# Altium PCB eps-test.PcbDoc (part 2 of 2) (continued)
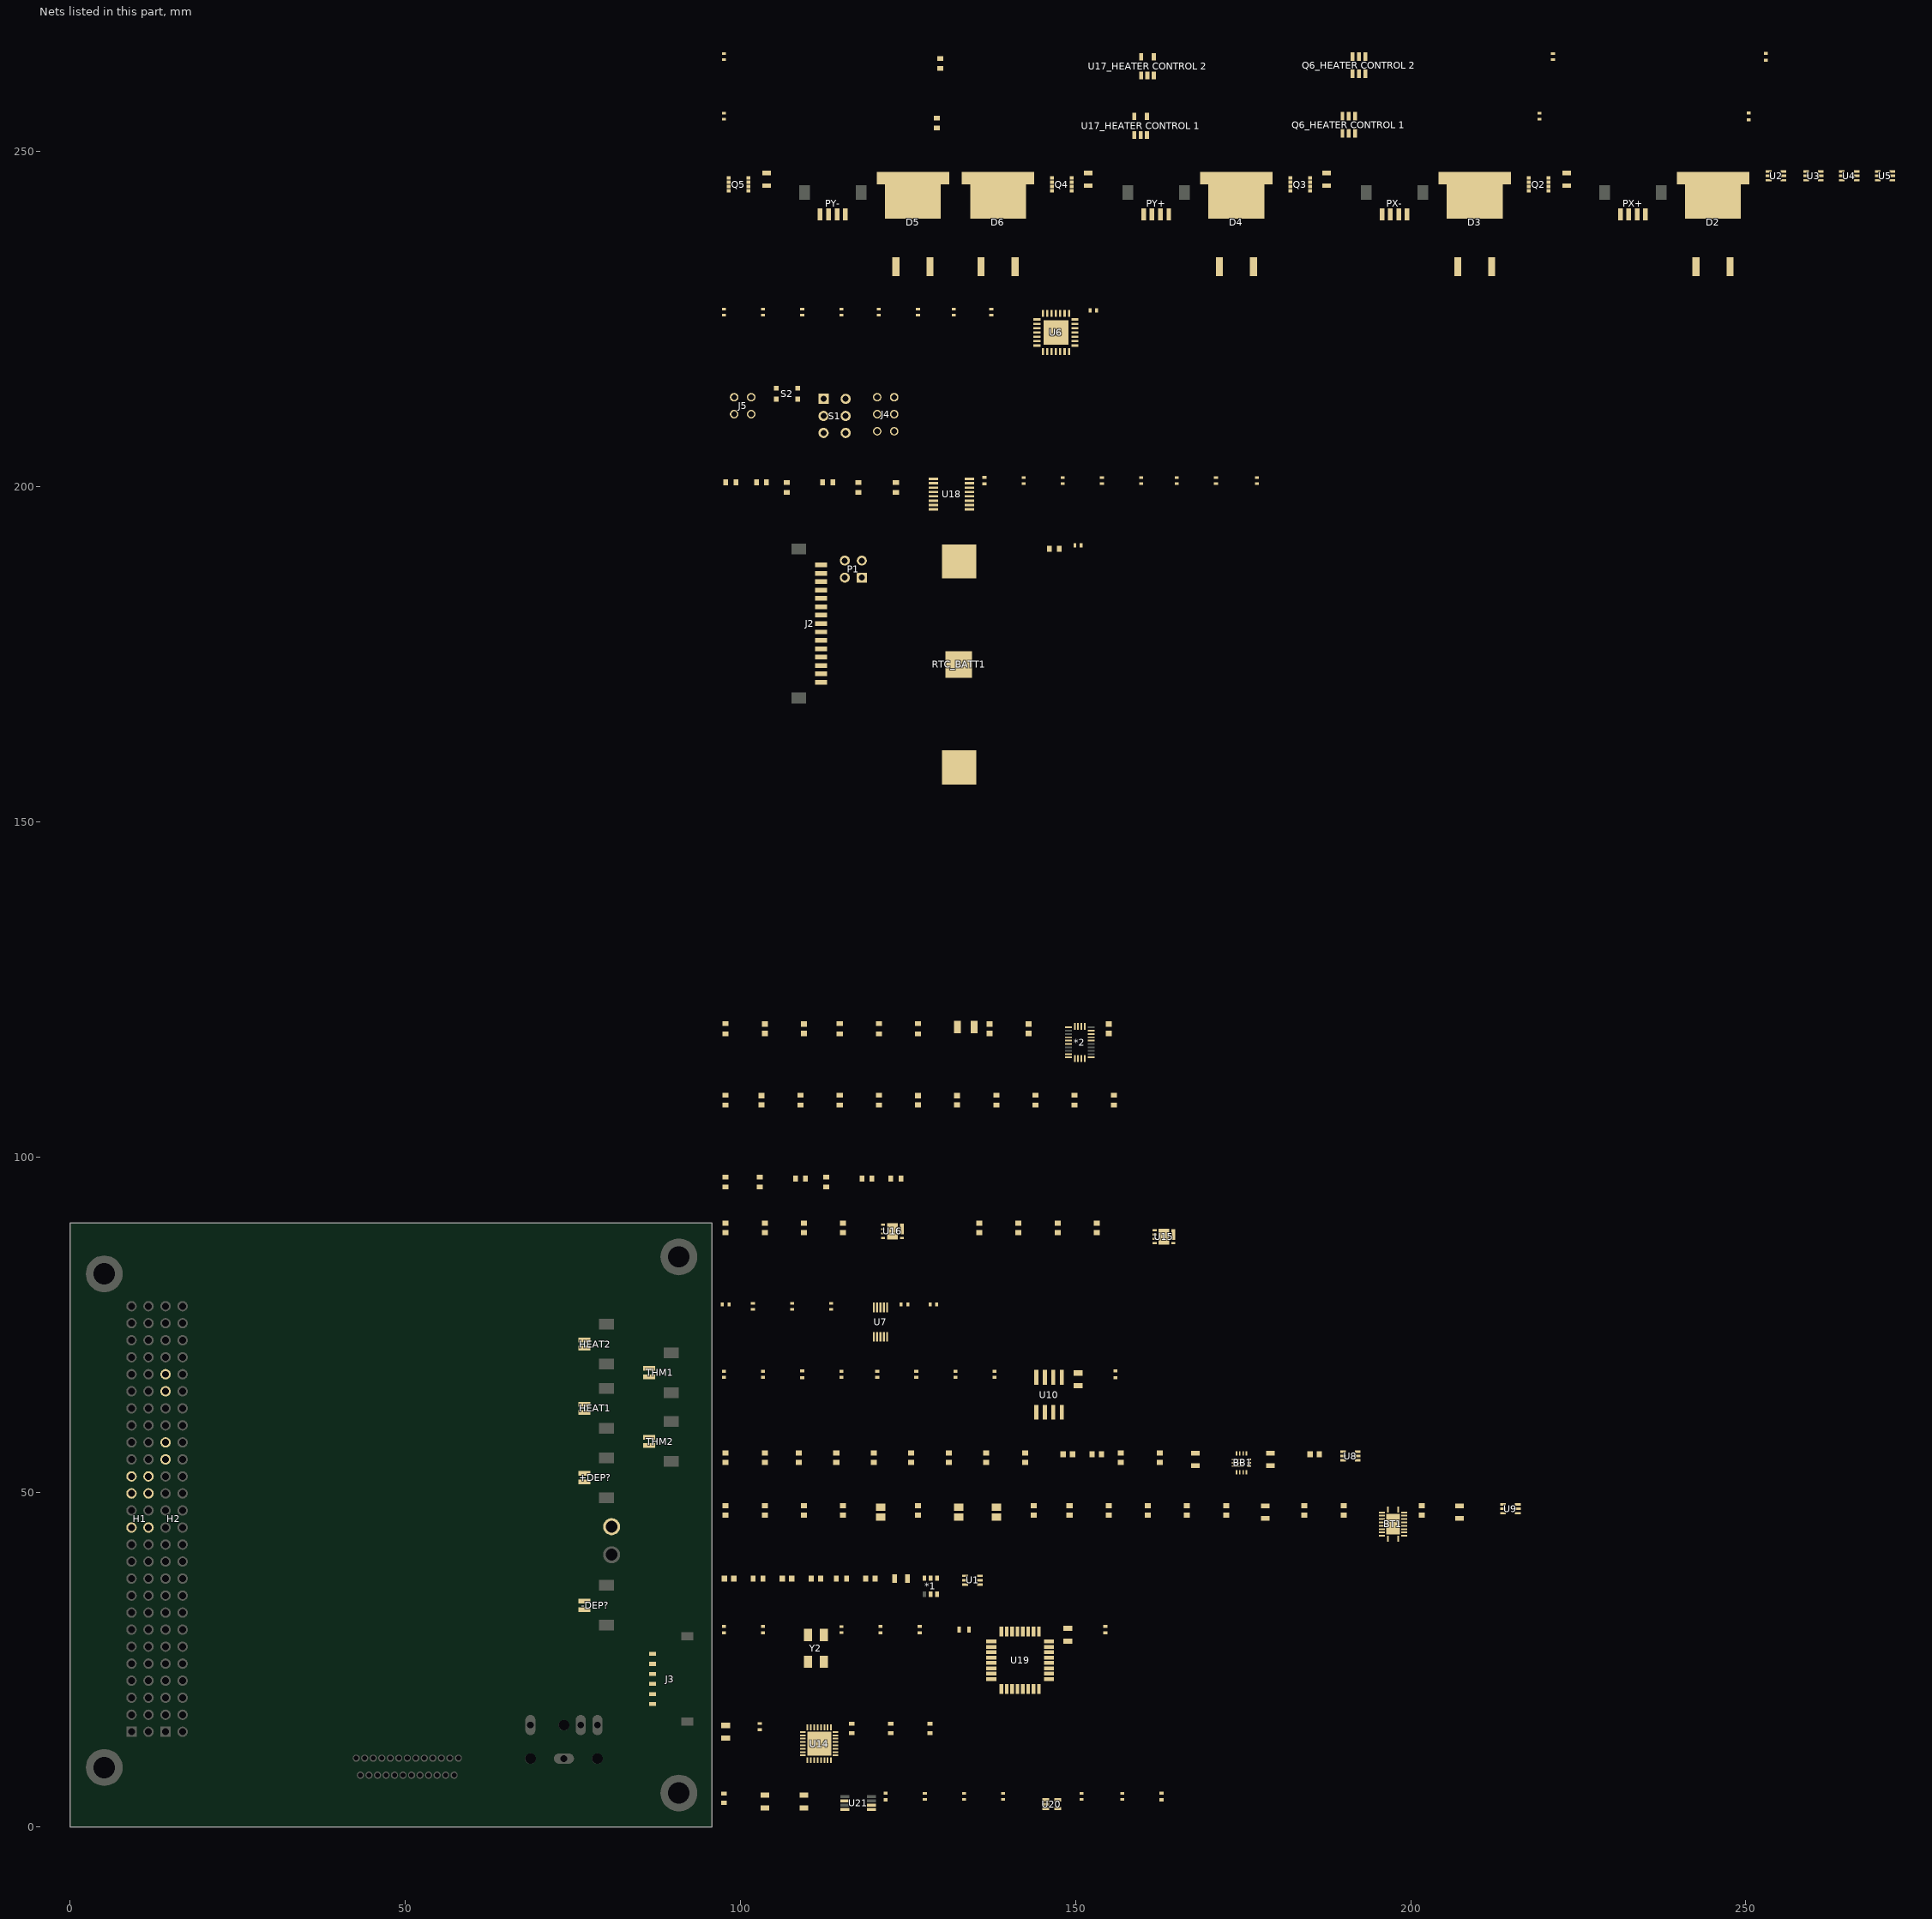
[diagram p2: the nets of this part, all layers, seen from the top]
## Part data (continued)
R7: library part Res3, "Resistor", Supplier Part Number 1=311-0.0GRDKR-ND, LatestRevisionDate=29-May-2009, LatestRevisionNote="IPC-7351 Footprint Added.", PackageDescription="Chip Resistor", PackageReference=J1-0603, Published=8-Jun-2000, Publisher="Altium Limited", Supplier 1=Digi-Key
R9 R54: library part Res3, "Resistor", Supplier Part Number 1=P10KDBCT-ND, LatestRevisionDate=29-May-2009, LatestRevisionNote="IPC-7351 Footprint Added.", PackageDescription="Chip Resistor", PackageReference=J1-0603, Published=8-Jun-2000, Publisher="Altium Limited", Supplier 1=Digi-Key
R13: library part Res1, "Resistor", Case/Package=0805, Case Code (Metric)=2012, Manufacturer=Rohm, Manufacturer Part Number=PMR10EZPFV2L00, Max Operating Temperature=155°C, Max Power Dissipation=500mW, Min Operating Temperature=-55°C, Package Quantity=1, Resistance=2mR, Supplier Part Number 1=P0.01BVDKR-ND, Temperature Coefficient=150ppm/°C, Tolerance=1%, Case Code (Imperial)=0805, ComponentLink1Description=https://www.rohm.com/datasheet/PMR18EZPFV/pmr-e?src-supplier=Digi-Key, ComponentLink1URL=https://www.rohm.com/datasheet/PMR18EZPFV/pmr-e?src-supplier=Digi-Key, ComponentLink2Description=http://www.rohm.com/web/global/datasheet/PMR18EZPFV/pmr-e?src-supplier=Digi-Key, ComponentLink2URL=http://www.rohm.com/web/global/datasheet/PMR18EZPFV/pmr-e?src-supplier=Digi-Key, Composition="Thick Film", Features="Automotive AEC-Q200", Height=0.022inch, LatestRevisionDate=17-Jul-2002, LatestRevisionNote="Re-released for DXP Platform.", Lead Free="Lead Free", Length=0.079inch, Number of Terminations=2, PackageDescription="Axial Device, Thru-Hole; 2 Leads; 0.3 in Pin Spacing", PackageReference=AXIAL-0.3, Packaging="Tape and Reel", Pricing 2="1=0.65, 10=0.546, 25=0.4676, 50=0.421, 100=0.3664, 250=0.32744, 500=0.26508, 1000=0.2144 (USD)", Published=8-Jun-2000, Publisher="Altium Limited", Stock 2=27190, Supplier 1=Digi-Key, Supplier 2=Digi-Key, Supplier Part Number 2=RHM.002AJCT-ND, Width=0.047inch
R14 R15 R16: library part Res1, "Resistor", Case/Package=0805, Case Code (Metric)=2012, Manufacturer=Rohm, Manufacturer Part Number=PMR10EZPFV2L00, Max Operating Temperature=155°C, Max Power Dissipation=500mW, Min Operating Temperature=-55°C, Package Quantity=1, Resistance=2mR, Supplier Part Number 1=RHM.002AJCT-ND, Temperature Coefficient=150ppm/°C, Tolerance=1%, Case Code (Imperial)=0805, ComponentLink1Description=https://www.rohm.com/datasheet/PMR18EZPFV/pmr-e?src-supplier=Digi-Key, ComponentLink1URL=https://www.rohm.com/datasheet/PMR18EZPFV/pmr-e?src-supplier=Digi-Key, ComponentLink2Description=http://www.rohm.com/web/global/datasheet/PMR18EZPFV/pmr-e?src-supplier=Digi-Key, ComponentLink2URL=http://www.rohm.com/web/global/datasheet/PMR18EZPFV/pmr-e?src-supplier=Digi-Key, Composition="Thick Film", Features="Automotive AEC-Q200", Height=0.022inch, LatestRevisionDate=17-Jul-2002, LatestRevisionNote="Re-released for DXP Platform.", Lead Free="Lead Free", Length=0.079inch, Number of Terminations=2, PackageDescription="Axial Device, Thru-Hole; 2 Leads; 0.3 in Pin Spacing", PackageReference=AXIAL-0.3, Packaging="Tape and Reel", Pricing 1="1=0.65, 10=0.546, 25=0.4676, 50=0.421, 100=0.3664, 250=0.32744, 500=0.26508, 1000=0.2144 (USD)", Published=8-Jun-2000, Publisher="Altium Limited", Stock 1=27190, Supplier 1=Digi-Key, Width=0.047inch
R17 R18 R25 R26 R62 R67: library part RES0402, "0402 resistor", Case Code (Metric)=1005, Manufacturer=Panasonic, Manufacturer Part Number=ERJ-2RKF1002X, Max Operating Temperature=155°C, Max Power Dissipation=100mW, Min Operating Temperature=-55°C, Package Quantity=1, Resistance=10kR, Supplier Part Number 1=P10.0KLCT-ND, Temperature Coefficient=100ppm/°C, Tolerance=1%, Voltage Rating=50V, Case/Package=0402, Case Code (Imperial)=0402, ComponentLink1Description=http://industrial.panasonic.com/www-data/pdf/AOA0000/AOA0000CE2.pdf?src-supplier=Future+Electronics, ComponentLink1URL=http://industrial.panasonic.com/www-data/pdf/AOA0000/AOA0000CE2.pdf?src-supplier=Future+Electronics, ComponentLink2Description=http://industrial.panasonic.com/www-data/pdf/AOA0000/AOA0000CE2.pdf?src-supplier=Avnet+Europe, ComponentLink2URL=http://industrial.panasonic.com/www-data/pdf/AOA0000/AOA0000CE2.pdf?src-supplier=Avnet+Europe, ComponentLink3Description=https://industrial.panasonic.com/cdbs/www-data/pdf/RDA0000/DMA0000COL11.pdf?src-supplier=Mouser, ComponentLink3URL=https://industrial.panasonic.com/cdbs/www-data/pdf/RDA0000/DMA0000COL11.pdf?src-supplier=Mouser, ComponentLink4Description=http://www.farnell.com/datasheets/1678782.pdf?src-supplier=Element14, ComponentLink4URL=http://www.farnell.com/datasheets/1678782.pdf?src-supplier=Element14, ComponentLink5Description=http://www.farnell.com/datasheets/1911175.pdf?src-supplier=Farnell, ComponentLink5URL=http://www.farnell.com/datasheets/1911175.pdf?src-supplier=Farnell, ComponentLink6Description=http://www.jameco.com/Jameco/Products/ProdDS/1987020.pdf?src-supplier=Jameco, ComponentLink6URL=http://www.jameco.com/Jameco/Products/ProdDS/1987020.pdf?src-supplier=Jameco, ComponentLink7Description=http://industrial.panasonic.com/www-data/pdf/AOA0000/AOA0000CE2.pdf?src-supplier=Avnet, ComponentLink7URL=http://industrial.panasonic.com/www-data/pdf/AOA0000/AOA0000CE2.pdf?src-supplier=Avnet, ComponentLink8Description=http://www.alliedelec.com/m/d/623f45ff1957d936ff56d46fd1c28cac.pdf?src-supplier=Allied+Electronics, ComponentLink8URL=http://www.alliedelec.com/m/d/623f45ff1957d936ff56d46fd1c28cac.pdf?src-supplier=Allied+Electronics, Composition="Thick Film", Contact Plating=Tin, Depth=0.5mm, Features="Automotive AEC-Q200", Height=0.35mm, Lead Free="Lead Free", Length=1mm, Military Standard=Not, Mount="Surface Mount", Number of Pins=2, Number of Terminations=2, Packaging="Tape and Reel", Power Rating=100mW, Pricing 1="1=0.1, 10=0.045, 100=0.0183, 1000=0.00823, 2500=0.00715, 5000=0.0059 (USD)", Radiation Hardening=No, REACH SVHC="No SVHC", Stock 1=14350001, Supplier 1=Digi-Key, Termination=SMD/SMT, Voltage Rating (DC)=50V, Width=0.02inch
R19 R20 R21 R22 R23 R24 R52 R53: library part RES0402, "0402 resistor", Case Code (Metric)=1005, Manufacturer=Panasonic, Manufacturer Part Number=ERJ-2GE0R00X, Max Operating Temperature=155°C, Max Power Dissipation=100mW, Min Operating Temperature=-55°C, Package Quantity=1, Resistance=0mR, Supplier Part Number 1=P0.0JCT-ND, Temperature Coefficient=600ppm/°C, Tolerance=5%, Voltage Rating=50V, Case/Package=0402, Case Code (Imperial)=0402, ComponentLink1Description=http://industrial.panasonic.com/www-data/pdf/AOA0000/AOA0000CE1.pdf?src-supplier=Avnet, ComponentLink1URL=http://industrial.panasonic.com/www-data/pdf/AOA0000/AOA0000CE1.pdf?src-supplier=Avnet, ComponentLink2Description=http://www.alliedelec.com/m/d/51cd0790071e1666bdb9d00c57fcf960.pdf?src-supplier=Allied+Electronics, ComponentLink2URL=http://www.alliedelec.com/m/d/51cd0790071e1666bdb9d00c57fcf960.pdf?src-supplier=Allied+Electronics, ComponentLink3Description=http://industrial.panasonic.com/www-data/pdf/AOA0000/AOA0000CE1.pdf?src-supplier=Avnet+Europe, ComponentLink3URL=http://industrial.panasonic.com/www-data/pdf/AOA0000/AOA0000CE1.pdf?src-supplier=Avnet+Europe, ComponentLink4Description=http://www.farnell.com/datasheets/2059623.pdf?src-supplier=Farnell, ComponentLink4URL=http://www.farnell.com/datasheets/2059623.pdf?src-supplier=Farnell, ComponentLink5Description=http://www.farnell.com/datasheets/2059623.pdf?src-supplier=Element14, ComponentLink5URL=http://www.farnell.com/datasheets/2059623.pdf?src-supplier=Element14, ComponentLink6Description=http://www.farnell.com/datasheets/1678796.pdf?src-supplier=Element14, ComponentLink6URL=http://www.farnell.com/datasheets/1678796.pdf?src-supplier=Element14, Composition="Thick Film", Contact Plating=Tin, Depth=0.5mm, Features="Automotive AEC-Q200", Height=0.35mm, Lead Free="Lead Free", Length=1mm, Military Standard=Not, Mount="Surface Mount", Number of Terminations=2, Packaging="Tape and Reel", Power Rating=100mW, Pricing 1="1=0.1, 10=0.03, 25=0.0216, 50=0.0164, 100=0.0121, 250=0.00924, 500=0.0074, 1000=0.00545, 5000=0.00391 (USD)", Radiation Hardening=No, REACH SVHC="No SVHC", Stock 1=47740000, Supplier 1=Digi-Key, Termination=SMD/SMT, Voltage Rating (DC)=50V, Width=0.02inch
R27 "R65_HEATER CONTROL 1" "R65_HEATER CONTROL 2" "R66_HEATER CONTROL 1" "R66_HEATER CONTROL 2": library part RES0402, "0402 resistor", Case Code (Metric)=1005, Manufacturer=Panasonic, Manufacturer Part Number=ERJ-PA2J102X, Max Operating Temperature=155°C, Max Power Dissipation=200mW, Min Operating Temperature=-55°C, Resistance=1kR, Supplier Part Number 1=P17193CT-ND, Temperature Coefficient=200ppm/°C, Tolerance=5%, Case/Package=0402, Case Code (Imperial)=0402, Composition="Thick Film", Features="Automotive AEC-Q200", Height=0.016inch, Length=0.039inch, Number of Terminations=2, Packaging="Tape and Reel", Pricing 1="1=0.16, 10=0.133, 100=0.0518, 1000=0.0217, 2500=0.0199, 5000=0.01809 (USD)", Stock 1=7229, Supplier 1=Digi-Key, Width=0.02inch
R28: library part Res1, "Resistor, Rfbt_bb1", Case/Package=0805, Case Code (Metric)=2012, Manufacturer=Rohm, Manufacturer Part Number=PMR10EZPFV2L00, Max Operating Temperature=155°C, Max Power Dissipation=500mW, Min Operating Temperature=-55°C, Package Quantity=1, Resistance=2mR, Supplier Part Number 1=P562KHDKR-ND, Temperature Coefficient=150ppm/°C, Tolerance=1%, Case Code (Imperial)=0805, ComponentLink1Description=https://www.rohm.com/datasheet/PMR18EZPFV/pmr-e?src-supplier=Digi-Key, ComponentLink1URL=https://www.rohm.com/datasheet/PMR18EZPFV/pmr-e?src-supplier=Digi-Key, ComponentLink2Description=http://www.rohm.com/web/global/datasheet/PMR18EZPFV/pmr-e?src-supplier=Digi-Key, ComponentLink2URL=http://www.rohm.com/web/global/datasheet/PMR18EZPFV/pmr-e?src-supplier=Digi-Key, Composition="Thick Film", Features="Automotive AEC-Q200", Height=0.022inch, LatestRevisionDate=17-Jul-2002, LatestRevisionNote="Re-released for DXP Platform.", Lead Free="Lead Free", Length=0.079inch, Number of Terminations=2, PackageDescription="Axial Device, Thru-Hole; 2 Leads; 0.3 in Pin Spacing", PackageReference=AXIAL-0.3, Packaging="Tape and Reel", Pricing 2="1=0.65, 10=0.546, 25=0.4676, 50=0.421, 100=0.3664, 250=0.32744, 500=0.26508, 1000=0.2144 (USD)", Published=8-Jun-2000, Publisher="Altium Limited", Stock 2=27190, Supplier 1=Digi-Key, Supplier 2=Digi-Key, Supplier Part Number 2=RHM.002AJCT-ND, Width=0.047inch
R29: "Resistor", Case/Package=0805, Case Code (Metric)=2012, Manufacturer=Rohm, Manufacturer Part Number=PMR10EZPFV2L00, Max Operating Temperature=155°C, Max Power Dissipation=500mW, Min Operating Temperature=-55°C, Package Quantity=1, Resistance=2mR, Supplier Part Number 1=P.010AVDKR-ND, Temperature Coefficient=150ppm/°C, Tolerance=1%, Case Code (Imperial)=0805, ComponentLink1Description=https://www.rohm.com/datasheet/PMR18EZPFV/pmr-e?src-supplier=Digi-Key, ComponentLink1URL=https://www.rohm.com/datasheet/PMR18EZPFV/pmr-e?src-supplier=Digi-Key, ComponentLink2Description=http://www.rohm.com/web/global/datasheet/PMR18EZPFV/pmr-e?src-supplier=Digi-Key, ComponentLink2URL=http://www.rohm.com/web/global/datasheet/PMR18EZPFV/pmr-e?src-supplier=Digi-Key, Composition="Thick Film", Features="Automotive AEC-Q200", Height=0.022inch, LatestRevisionDate=17-Jul-2002, LatestRevisionNote="Re-released for DXP Platform.", Lead Free="Lead Free", Length=0.079inch, Number of Terminations=2, PackageDescription="Axial Device, Thru-Hole; 2 Leads; 0.3 in Pin Spacing", PackageReference=AXIAL-0.3, Packaging="Tape and Reel", Pricing 2="1=0.65, 10=0.546, 25=0.4676, 50=0.421, 100=0.3664, 250=0.32744, 500=0.26508, 1000=0.2144 (USD)", Published=8-Jun-2000, Publisher="Altium Limited", Stock 2=27190, Supplier 1=Digi-Key, Supplier 2=Digi-Key, Supplier Part Number 2=RHM.002AJCT-ND, Width=0.047inch
R30: library part Res1, "Resistor, Rfbt_bb1", Supplier Part Number 1=P562KHDKR-ND, LatestRevisionDate=17-Jul-2002, LatestRevisionNote="Re-released for DXP Platform.", PackageDescription="Axial Device, Thru-Hole; 2 Leads; 0.3 in Pin Spacing", PackageReference=AXIAL-0.3, Published=8-Jun-2000, Publisher="Altium Limited", Supplier 1=Digi-Key
R31: library part Res1, "Resistor", Supplier Part Number 1=541-100KHCT-ND, LatestRevisionDate=17-Jul-2002, LatestRevisionNote="Re-released for DXP Platform.", PackageDescription="Axial Device, Thru-Hole; 2 Leads; 0.3 in Pin Spacing", PackageReference=AXIAL-0.3, Published=8-Jun-2000, Publisher="Altium Limited", Supplier 1=Digi-Key
R32: library part Res1, "Resistor, Rfbb_bb1", Supplier Part Number 1=P180KHDKR-ND, LatestRevisionDate=17-Jul-2002, LatestRevisionNote="Re-released for DXP Platform.", PackageDescription="Axial Device, Thru-Hole; 2 Leads; 0.3 in Pin Spacing", PackageReference=AXIAL-0.3, Published=8-Jun-2000, Publisher="Altium Limited", Supplier 1=Digi-Key
R33: library part Res1, "Resistor", LatestRevisionDate=17-Jul-2002, LatestRevisionNote="Re-released for DXP Platform.", PackageDescription="Axial Device, Thru-Hole; 2 Leads; 0.3 in Pin Spacing", PackageReference=AXIAL-0.3, Published=8-Jun-2000, Publisher="Altium Limited"
R34: library part Res2, "Resistor, Rfbt_bt1", Case/Package=0805, Case Code (Metric)=2012, Manufacturer=Rohm, Manufacturer Part Number=PMR10EZPFV2L00, Max Operating Temperature=155°C, Max Power Dissipation=500mW, Min Operating Temperature=-55°C, Package Quantity=1, Resistance=2mR, Supplier Part Number 1=P220KHDKR-ND, Temperature Coefficient=150ppm/°C, Tolerance=1%, Case Code (Imperial)=0805, ComponentLink1Description=https://www.rohm.com/datasheet/PMR18EZPFV/pmr-e?src-supplier=Digi-Key, ComponentLink1URL=https://www.rohm.com/datasheet/PMR18EZPFV/pmr-e?src-supplier=Digi-Key, ComponentLink2Description=http://www.rohm.com/web/global/datasheet/PMR18EZPFV/pmr-e?src-supplier=Digi-Key, ComponentLink2URL=http://www.rohm.com/web/global/datasheet/PMR18EZPFV/pmr-e?src-supplier=Digi-Key, Composition="Thick Film", Features="Automotive AEC-Q200", Height=0.022inch, LatestRevisionDate=17-Jul-2002, LatestRevisionNote="Re-released for DXP Platform.", Lead Free="Lead Free", Length=0.079inch, Number of Terminations=2, PackageDescription="Axial Device, Thru-Hole; 2 Leads; 0.4 in Pin Spacing", PackageReference=AXIAL-0.4, Packaging="Tape and Reel", Pricing 2="1=0.65, 10=0.546, 25=0.4676, 50=0.421, 100=0.3664, 250=0.32744, 500=0.26508, 1000=0.2144 (USD)", Published=8-Jun-2000, Publisher="Altium Limited", Stock 2=27190, Supplier 1=Digi-Key, Supplier 2=Digi-Key, Supplier Part Number 2=RHM.002AJCT-ND, Width=0.047inch
R35: library part Res2, "Resistor, Rt", Supplier Part Number 1=P412KHDKR-ND, LatestRevisionDate=17-Jul-2002, LatestRevisionNote="Re-released for DXP Platform.", PackageDescription="Axial Device, Thru-Hole; 2 Leads; 0.4 in Pin Spacing", PackageReference=AXIAL-0.4, Published=8-Jun-2000, Publisher="Altium Limited", Supplier 1=Digi-Key
R36: library part Res3, "Resistor", Case/Package=0805, Case Code (Metric)=2012, Manufacturer=Rohm, Manufacturer Part Number=PMR10EZPFV2L00, Max Operating Temperature=155°C, Max Power Dissipation=500mW, Min Operating Temperature=-55°C, Package Quantity=1, Resistance=2mR, Supplier Part Number 1=RHM.002AJCT-ND, Temperature Coefficient=150ppm/°C, Tolerance=1%, Case Code (Imperial)=0805, ComponentLink1Description=https://www.rohm.com/datasheet/PMR18EZPFV/pmr-e?src-supplier=Digi-Key, ComponentLink1URL=https://www.rohm.com/datasheet/PMR18EZPFV/pmr-e?src-supplier=Digi-Key, ComponentLink2Description=http://www.rohm.com/web/global/datasheet/PMR18EZPFV/pmr-e?src-supplier=Digi-Key, ComponentLink2URL=http://www.rohm.com/web/global/datasheet/PMR18EZPFV/pmr-e?src-supplier=Digi-Key, Composition="Thick Film", Features="Automotive AEC-Q200", Height=0.022inch, LatestRevisionDate=29-May-2009, LatestRevisionNote="IPC-7351 Footprint Added.", Lead Free="Lead Free", Length=0.079inch, Number of Terminations=2, PackageDescription="Chip Resistor", PackageReference=J1-0603, Packaging="Tape and Reel", Pricing 1="1=0.65, 10=0.546, 25=0.4676, 50=0.421, 100=0.3664, 250=0.32744, 500=0.26508, 1000=0.2144 (USD)", Published=8-Jun-2000, Publisher="Altium Limited", Stock 1=27190, Supplier 1=Digi-Key, Width=0.047inch
R37: library part Res2, "Resistor, Rfbt_bt1", Supplier Part Number 1=P220KHDKR-ND, LatestRevisionDate=17-Jul-2002, LatestRevisionNote="Re-released for DXP Platform.", PackageDescription="Axial Device, Thru-Hole; 2 Leads; 0.4 in Pin Spacing", PackageReference=AXIAL-0.4, Published=8-Jun-2000, Publisher="Altium Limited", Supplier 1=Digi-Key
R38: library part Res2, "Resistor", Supplier Part Number 1=541-100KHDKR-ND, LatestRevisionDate=17-Jul-2002, LatestRevisionNote="Re-released for DXP Platform.", PackageDescription="Axial Device, Thru-Hole; 2 Leads; 0.4 in Pin Spacing", PackageReference=AXIAL-0.4, Published=8-Jun-2000, Publisher="Altium Limited", Supplier 1=Digi-Key
R39: library part Res2, "Resistor, Rcomp1", Supplier Part Number 1=P15.8KHDKR-ND, LatestRevisionDate=17-Jul-2002, LatestRevisionNote="Re-released for DXP Platform.", PackageDescription="Axial Device, Thru-Hole; 2 Leads; 0.4 in Pin Spacing", PackageReference=AXIAL-0.4, Published=8-Jun-2000, Publisher="Altium Limited", Supplier 1=Digi-Key
R40: library part Res2, "Resistor, Rlim1", Supplier Part Number 1=P162KHDKR-ND, LatestRevisionDate=17-Jul-2002, LatestRevisionNote="Re-released for DXP Platform.", PackageDescription="Axial Device, Thru-Hole; 2 Leads; 0.4 in Pin Spacing", PackageReference=AXIAL-0.4, Published=8-Jun-2000, Publisher="Altium Limited", Supplier 1=Digi-Key
R41: library part Res2, "Resistor, Rfbb_bt1", Supplier Part Number 1=P69.8KHDKR-ND, LatestRevisionDate=17-Jul-2002, LatestRevisionNote="Re-released for DXP Platform.", PackageDescription="Axial Device, Thru-Hole; 2 Leads; 0.4 in Pin Spacing", PackageReference=AXIAL-0.4, Published=8-Jun-2000, Publisher="Altium Limited", Supplier 1=Digi-Key
R42: library part Res2, "Resistor", LatestRevisionDate=17-Jul-2002, LatestRevisionNote="Re-released for DXP Platform.", PackageDescription="Axial Device, Thru-Hole; 2 Leads; 0.4 in Pin Spacing", PackageReference=AXIAL-0.4, Published=8-Jun-2000, Publisher="Altium Limited"
R47 R51: library part RES0402, "0402 resistor", Case Code (Metric)=1005, Manufacturer=Vishay, Manufacturer Part Number=CRCW040260R4FKED, Max Operating Temperature=155°C, Max Power Dissipation=63mW, Min Operating Temperature=-55°C, Package Quantity=10, Resistance=60.4R, Supplier Part Number 1=541-60.4LCT-ND, Temperature Coefficient=100ppm/°C, Tolerance=1%, Voltage Rating=50V, Case/Package=0402, Case Code (Imperial)=0402, ComponentLink1Description=https://www.alliedelec.com/m/d/0c934d6939ccefa68dbe0b96d821c8cf.pdf?src-supplier=Allied+Electronics, ComponentLink1URL=https://www.alliedelec.com/m/d/0c934d6939ccefa68dbe0b96d821c8cf.pdf?src-supplier=Allied+Electronics, ComponentLink2Description=http://www.farnell.com/datasheets/1697337.pdf?src-supplier=Element14, ComponentLink2URL=http://www.farnell.com/datasheets/1697337.pdf?src-supplier=Element14, ComponentLink3Description=http://www.vishay.com/docs/20035/dcrcwe3.pdf?src-supplier=Digi-Key, ComponentLink3URL=http://www.vishay.com/docs/20035/dcrcwe3.pdf?src-supplier=Digi-Key, ComponentLink4Description=http://www.farnell.com/datasheets/2111203.pdf?src-supplier=Element14, ComponentLink4URL=http://www.farnell.com/datasheets/2111203.pdf?src-supplier=Element14, ComponentLink5Description=http://www.vishay.com/docs/20035/dcrcwe3.pdf?src-supplier=Future+Electronics, ComponentLink5URL=http://www.vishay.com/docs/20035/dcrcwe3.pdf?src-supplier=Future+Electronics, Composition="Thick Film", Contact Plating=Tin, Depth=0.5mm, Features="Automotive AEC-Q200", Height=0.35mm, Lead Free="Lead Free", Length=1mm, Military Standard=Not, Number of Terminations=2, Packaging="Tape and Reel", Power Rating=63mW, Pricing 1="1=0.1, 10=0.038, 100=0.0154, 1000=0.0069, 2500=0.00599, 5000=0.00495 (USD)", Radiation Hardening=No, REACH SVHC=Unknown, Stock 1=132015, Supplier 1=Digi-Key, Termination=Solder, Voltage Rating (DC)=50V, Weight=2.3E-05oz, Width=0.5mm
R48 R49 R50 R75 R76 R77 R78 R79: library part RES0402, "0402 resistor", Case Code (Metric)=1005, Manufacturer="Vishay Dale", Manufacturer Part Number=CRCW0402100RFKEDHP, Max Operating Temperature=155°C, Min Operating Temperature=-55°C, Package Quantity=10000, Power Rating=125mW, Resistance=100R, Supplier Part Number 1=541-100YCT-ND, Temperature Coefficient=100ppm/°C, Tolerance=1%, Voltage Rating=50V, Case/Package=0402, Case Code (Imperial)=0402, ComponentLink1Description=http://www.vishay.com/docs/20043/crcwhpe3.pdf?src-supplier=Avnet, ComponentLink1URL=http://www.vishay.com/docs/20043/crcwhpe3.pdf?src-supplier=Avnet, Composition="Thick Film", Contact Plating=Tin, Depth=0.5mm, Height=0.3mm, Lead Free="Lead Free", Length=1mm, Mount="Surface Mount", Packaging="Tape and Reel", Pricing 1="1=0.15, 10=0.138, 100=0.0532, 1000=0.02343, 2500=0.02023, 5000=0.0181 (USD)", Radiation Hardening=No, REACH SVHC=Unknown, Stock 1=530594, Supplier 1=Digi-Key, Termination=SMD/SMT, Voltage Rating (DC)=50V, Weight=2.3E-05oz, Width=0.5mm
R56 R57 R58 R59 R60 R61: library part Res3, "Resistor", Supplier Part Number=RMCF0603JG10K0CT-ND, LatestRevisionDate=29-May-2009, LatestRevisionNote="IPC-7351 Footprint Added.", PackageDescription="Chip Resistor", PackageReference=J1-0603, Published=8-Jun-2000, Publisher="Altium Limited", Supplier=Digi-Key, Supplier 1=Digi-Key
R63 R64: library part Res1, "Resistor", Case/Package=0603, Case Code (Metric)=1608, Manufacturer=Panasonic, Manufacturer Part Number=ERJ3EKF4992V, Max Operating Temperature=155°C, Max Power Dissipation=100mW, Min Operating Temperature=-55°C, Package Quantity=1, Resistance=49.9kR, Supplier Part Number 1=P49.9KHCT-ND, Temperature Coefficient=100ppm/°C, Tolerance=1%, Voltage Rating=75V, Voltage Rating (DC)=50V, Case Code (Imperial)=0603, ComponentLink1Description=http://www.farnell.com/datasheets/1911175.pdf?src-supplier=Farnell, ComponentLink1URL=http://www.farnell.com/datasheets/1911175.pdf?src-supplier=Farnell, ComponentLink2Description=http://www.farnell.com/datasheets/1911175.pdf?src-supplier=Element14, ComponentLink2URL=http://www.farnell.com/datasheets/1911175.pdf?src-supplier=Element14, ComponentLink3Description=http://industrial.panasonic.com/www-data/pdf/AOA0000/AOA0000CE2.pdf?src-supplier=Future+Electronics, ComponentLink3URL=http://industrial.panasonic.com/www-data/pdf/AOA0000/AOA0000CE2.pdf?src-supplier=Future+Electronics, ComponentLink4Description=http://industrial.panasonic.com/www-data/pdf/AOA0000/AOA0000CE2.pdf?src-supplier=Avnet+Europe, ComponentLink4URL=http://industrial.panasonic.com/www-data/pdf/AOA0000/AOA0000CE2.pdf?src-supplier=Avnet+Europe, ComponentLink5Description=http://industrial.panasonic.com/www-data/pdf/AOA0000/AOA0000CE2.pdf?src-supplier=Avnet, ComponentLink5URL=http://industrial.panasonic.com/www-data/pdf/AOA0000/AOA0000CE2.pdf?src-supplier=Avnet, ComponentLink6Description=http://www.farnell.com/datasheets/1678782.pdf?src-supplier=Element14, ComponentLink6URL=http://www.farnell.com/datasheets/1678782.pdf?src-supplier=Element14, ComponentLink7Description=https://www.verical.com/server-webapp/html/getDatasheet?partID=52039&src-supplier=Verical, ComponentLink7URL=https://www.verical.com/server-webapp/html/getDatasheet?partID=52039&src-supplier=Verical, ComponentLink8Description=http://www.jameco.com/Jameco/Products/ProdDS/1988209.pdf?src-supplier=Jameco, ComponentLink8URL=http://www.jameco.com/Jameco/Products/ProdDS/1988209.pdf?src-supplier=Jameco, Composition="Thick Film", Contact Plating=Tin, Depth=0.8mm, Features="Automotive AEC-Q200", Height=0.45mm, LatestRevisionDate=17-Jul-2002, LatestRevisionNote="Re-released for DXP Platform.", Lead Free="Lead Free", Length=1.6mm, Military Standard=Not, Mount="Surface Mount", Number of Terminations=2, PackageDescription="Axial Device, Thru-Hole; 2 Leads; 0.3 in Pin Spacing", PackageReference=AXIAL-0.3, Packaging="Tape and Reel", Power Rating=100mW, Pricing 1="1=0.1, 10=0.065, 100=0.0264, 1000=0.01186, 2500=0.01029 (USD)", Published=8-Jun-2000, Publisher="Altium Limited", Radiation Hardening=No, REACH SVHC="No SVHC", Stock 1=454779, Supplier 1=Digi-Key, Termination=SMD/SMT, Weight=7.1E-05oz, Width=0.8mm
R68 R69 R70 R71 R72 R73: library part RES0402, "0402 resistor", Case Code (Metric)=1005, Manufacturer="TE Connectivity", Manufacturer Part Number=CRGCQ0402F330R, Max Operating Temperature=155°C, Max Power Dissipation=63mW, Min Operating Temperature=-55°C, Resistance=330R, Supplier Part Number 1=A129621CT-ND, Temperature Coefficient=100ppm/°C, Tolerance=1%, Case/Package=0402, Case Code (Imperial)=0402, Composition="Thick Film", Features="Moisture Resistant,Automotive AEC-Q200", Number of Terminations=2, Packaging="Tape and Reel", Pricing 1="1=0.1, 10=0.022, 100=0.009, 1000=0.00406, 2500=0.00352, 5000=0.00291 (USD)", Stock 1=224275, Supplier 1=Digi-Key
R74: library part RES0402, "0402 resistor", Case Code (Metric)=1005, Manufacturer=Yageo, Manufacturer Part Number=AC0402FR-0730KL, Max Operating Temperature=155°C, Max Power Dissipation=63mW, Min Operating Temperature=-55°C, Power Rating=62.5mW, Resistance=30kR, Supplier Part Number 1=YAG3474CT-ND, Temperature Coefficient=100ppm/°C, Tolerance=1%, Voltage Rating=50V, Case/Package=0402, Case Code (Imperial)=0402, Composition="Thick Film", Features="Moisture Resistant,Automotive AEC-Q200", Height=0.015inch, Lead Free="Lead Free", Length=0.039inch, Number of Terminations=2, Packaging="Tape and Reel", Pricing 1="1=0.1, 10=0.022, 100=0.009, 1000=0.00403, 2500=0.0035, 5000=0.00289 (USD)", Stock 1=756314, Supplier 1=Digi-Key, Termination=SMD/SMT, Weight=2.3E-05oz, Width=0.5mm
RBF1: Supplier Part Number 1=CP1-3544-ND, Supplier 1=Digi-Key
RTC_BATT1: "CR2330 Battery Holder", Case/Package=SMD/SMT, Manufacturer="Keystone Electronics", Package Quantity=100, Supplier Part Number 1=36-3084-ND, ComponentLink1Description=http://media.digikey.com/pdf/Data%20Sheets/Keystone%20Electronics%20PDFs/Lithium_Coin_Cell_Retainers_SMT.pdf?src-supplier=Digi-Key, ComponentLink1URL=http://media.digikey.com/pdf/Data%20Sheets/Keystone%20Electronics%20PDFs/Lithium_Coin_Cell_Retainers_SMT.pdf?src-supplier=Digi-Key, Lead Free="Lead Free", Manufacturer Part Number=3084, Mount="Surface Mount,PCB", Number of Batteries=2, Number of Cells=1, Pricing 1="1=0.62, 10=0.523, 50=0.4586, 250=0.39796, 500=0.391, 1000=0.34946, 2500=0.31916, 5000=0.29492 (USD)", REACH SVHC="No SVHC", Stock 1=658, Supplier 1=Digi-Key, Termination=SMD/SMT
S1: library part "DPDT Switch", "DPDT Switch, customized for the pinout of the JS202011AQN switch.", Supplier Part Number 1=401-2000-ND, Supplier 1=Digi-Key
S2: library part "Pushbutton - Low Profile", "Schematic symbol for a generic 2-pin pushbutton, OFF-mom.", Supplier Part Number 1=CKN10587CT-ND, Supplier 1=Digi-Key
U1 U2 U3 U4 U5 U8 U9: "IC CURR SENSE 1 CIRCUIT SC70-6", Supplier Part Number 1=296-51151-1-ND, ComponentLink1Description=Datasheet, ComponentLink1URL=http://www.ti.com/general/docs/suppproductinfo.tsp?distId=10&gotoUrl=http%3A%2F%2Fwww.ti.com%2Flit%2Fgpn%2Fina213-q1, Supplier 1=Digi-Key
U6: "16 channel SPI port expander", Supplier Part Number 1=MCP23S17T-E/MLCT-ND, Supplier 1=Digi-Key
U7: "12-bit, low-power, voltage-output DAC with internal reference.", Supplier Part Number 1=296-29022-1-ND, Supplier 1=Digi-Key
U10: "3.3V CAN Transceiver with Standby Mode, Loop-back 8-SOIC -40 to 125", Package="SOIC-8 Texas Instruments", Supplier Part Number 1=296-14639-5-ND, Availability=Good, MF="Texas Instruments", MP=SN65HVD233D, Price="2.39 USD", SnapEDA_Link=https://www.snapeda.com/parts/SN65HVD233D/Texas%20Instruments/view-part/?ref=snap, Supplier 1=Digi-Key
U14: "12 bit, 16 channel ADC", Supplier Part Number 1=296-25844-1-ND, Supplier 1=Digi-Key
U15 U16: "5.5V, 15A, 4.4mΩ Load Switch with Quick Output Discharge 8-WSON -40 to 85", Manufacturer="Texas Instruments", Max Operating Temperature=85°C, Min Operating Temperature=-40°C, Package="WSON-8 Texas Instruments", Quiescent Current=20.4uA, Supplier Part Number 1=296-47872-1-ND, ComponentLink1Description=http://www.ti.com/general/docs/lit/getliterature.tsp?genericPartNumber=TPS22959&&fileType=pdf&src-supplier=Avnet, ComponentLink1URL=http://www.ti.com/general/docs/lit/getliterature.tsp?genericPartNumber=TPS22959&&fileType=pdf&src-supplier=Avnet, Digi-Key_Part_Number=296-47872-1-ND, Digi-Key_Purchase_URL=https://www.digikey.ca/product-detail/en/texas-instruments/TPS22959DNYT/296-47872-1-ND/8133221?utm_source=snapeda&utm_medium=aggregator&utm_campaign=symbol, Lead Free="Lead Free", Manufacturer Part Number=TPS22959DNYT, MF="Texas Instruments", Mount="Surface Mount", MP=TPS22959DNYT, Number of Channels=1, Number of Outputs=1, Number of Pins=8, Pricing 1="1=1.91, 10=1.711, 100=1.3756 (USD)", SnapEDA_Link=https://www.snapeda.com/parts/TPS22959DNYT/Texas%20Instruments/view-part/?ref=snap, Stock 1=2432, Supplier 1=Digi-Key
"U17_HEATER CONTROL 1" "U17_HEATER CONTROL 2": "Open-drain output sub-microamp comparator.", Supplier Part Number 1=MCP6546T-E/OTCT-ND, Supplier 1=Digi-Key
U18: "Hex non-inverting buffer with 3-state outputs", Supplier Part Number 1=296-33932-5-ND, Supplier 1=Digi-Key
U19: library part ATMEGA64M1_QFP, "Atmel 8-bit AVR microcontroller.", Supplier Part Number 1=ATMEGA64M1-AU-ND, Supplier 1=Digi-Key
U20: "Low power, low noise rail-to-rail op-amp.", Supplier Part Number 1=AD8613AKSZ-REEL7CT-ND, Supplier 1=Digi-Key
U21: "Voltage Reference", Supplier Part Number 1=296-41382-1-ND, Supplier 1=Digi-Key
Y1: "3.2 x 1.5mm, 32.768KHZ Xtal 6pf, 20ppm, -40+85C, ESR 60kOhm, ST Micro Ref Design Crystal for STM32L", Package="SMD-2 Abracon", Availability=Good, MF=Abracon, MP=ABS07-120-32.768KHZ-T, Price="0.37 USD", SnapEDA_Link=https://www.snapeda.com/parts/ABS07-120-32.768KHZ-T/Abracon%20LLC/view-part/?ref=snap
Y2: library part AMB3B-8MHz, "8MHz Abracom 4-pin crystal.", Supplier Part Number 1=535-13456-1-ND, Supplier 1=Digi-Key

## Free pads (board coordinates)
  round 5.5 hole 3.18 unplated: ""(5.08,8.89) ""(5.08,82.55) ""(90.81,5.08) ""(90.81,85.09)

## Via types
v1: diameter 2.794, hole 2.794, Top Layer to Bottom Layer, 2 vias

## Nets (pads, with @x,y where several pads share a name; then routed paths per layer and width w, separated by ;. In a path a pad name is that pad's centre, name@x,y a point inside that pad or via, vN(x,y) a via of type N, cw(c..) or ccw(c..) an arc to the next point about the centre after c; other vN are vias at no path point)
3V3: C35.2 C36.2 C37.2 R56.2 R57.2 R60.2
3V3_OUT: BB1.12 BB1.13 BB1.14 C9.2 C10.2 R29.2 R30.1 U8.4
3V3IOUT: U8.6 U14.19
3V3OUT: C11.1 R31.2 R33.1 U14.20
5VOUT: C26.1 R38.1 R42.2 U14.9
+2V5: C41.2 C60.2 THM1.1 THM2.1 U1.1 U14.31 U21.6
+3V3: "C48_HEATER CONTROL 1.2" "C48_HEATER CONTROL 2.2" "U17_HEATER CONTROL 1.5" "U17_HEATER CONTROL 2.5" *2.3 *2.5 *2.28 C3.2 C4.2 C5.2 C7.2 C12.2 C13.2 C14.2 C15.2 C16.2 C17.1 C28.2 C29.2 C32.2 C33.2 C38.2 C39.2 C40.2 C49.2 C50.2 C51.2 C56.2 C58.2 J2.8 J4.2 L3.1 R17.2 R18.2 R19.2 R20.2 R21.2 R25.2 R26.2 R29.1 R31.1 R43.2 R44.2 R45.2 R46.2 R62.2 R74.2 U1.3 U2.3 U3.3 U4.3 U5.3 U6.5 U7.9 U8.3 U8.5 U9.3 U10.3 U14.21 U14.28 U14.32 U18.16 U19.4 U20.5 U21.2
+5V: "R65_HEATER CONTROL 1.2" "R65_HEATER CONTROL 2.2" "R66_HEATER CONTROL 1.1" "R66_HEATER CONTROL 2.1" H1.25 H1.26 HEAT1.1 HEAT2.1 J3.6 R36.2 U9.5
+BATT: C42.2 R2.1 R3.2 U1.4 U15.8
+CELL: +DEP?.1 -DEP?.1 C43.2 C44.2 C47.2 U15.1 U15.2 U15.3 U15.9 U16.3
+HEAT1: "D7_HEATER CONTROL 1.2" "Q6_HEATER CONTROL 1.1" "Q6_HEATER CONTROL 1.2" "Q6_HEATER CONTROL 1.5" "Q6_HEATER CONTROL 1.6" HEAT1.2
+HEAT2: "D7_HEATER CONTROL 2.2" "Q6_HEATER CONTROL 2.1" "Q6_HEATER CONTROL 2.2" "Q6_HEATER CONTROL 2.5" "Q6_HEATER CONTROL 2.6" HEAT2.2
+PACK: BB1.4 BB1.5 BB1.6 BB1.7 BB1.8 BT1.9 C8.2 C19.2 C20.2 D6.3 J2.13 J2.14 J2.15 R3.1 R4.2 U1.5
-BATT: C46.2 U16.1 U16.2 U16.9
-PACK: *1.6 C1.1
A0: R21.1 R24.2 U6.11
A1: R20.1 R23.2 U6.12
A2: R19.1 R22.2 U6.13
ADC_AINP: C57.2 R77.2 U14.3
ADC_BUF_OUT: R77.1 U20.1 U20.4
ADC_CH2: U14.18
ADC_CH3: U14.17
ADC_CH4: U14.16
ADC_CH5: U14.15
ADC_CH12: U14.8
ADC_CH13: U14.7
ADC_CH14: U14.6
ADC_CH15: U14.5
ADC_MXO: U14.2 U20.3
ANT_DEP_LED: R1.2
AREF: C53.2 U19.21
AVCC: C52.2 L3.2 U19.19
BOOT: BT1.8 C18.2
BT_IOUT: U9.6 U14.10
BT_OUT: BT1.14 BT1.15 BT1.16 C24.2 R36.1 R37.2 R38.2 U9.4
BUF_EN_N: R67.2 U18.1 U18.15
C_GATE: *1.3
CAN_CM_F: C34.2 R47.1 R51.1
CANH: J2.2 R51.2 U10.7
CANL: J2.1 R47.2 U10.6
CLR_N: R26.1 U7.5 U19.25
COMP: BT1.18 C22.2 R39.2
CS_ADC: R75.1 U19.16
CS_N_R: R62.1 R75.2 U14.23
CS_PEX: R17.1 U6.7 U19.3
CSN_BB: R57.1 U6.24
CSN_BST1: R56.1 U6.22
CSN_BST2: R60.1 U6.23
D_GATE: *1.1
DAC_REF1: "U17_HEATER CONTROL 1.3" U7.1
DAC_REF2: "U17_HEATER CONTROL 2.3" U7.2
DAC_VREF: C6.2 U7.10
DEP_LED: D1.1 R1.1
DRAIN: 
EPS_MOSI_A/TX: J4.4 J5.2 J5.4 U18.4 U19.2
EPS_SCK_A/RX: S1.2 U18.6 U19.12
FB: BB1.11 R30.2 R32.2
FB_BOOST: BT1.17 R37.1 R41.2
FSW: BT1.3 R35.2
G1: Q2.4
G2: Q3.4
G3: Q4.4
G4: Q5.4
GND: "C48_HEATER CONTROL 1.1" "C48_HEATER CONTROL 2.1" "Q6_HEATER CONTROL 1.4" "Q6_HEATER CONTROL 2.4" "U17_HEATER CONTROL 1.2" "U17_HEATER CONTROL 2.2" *2.2 *2.25 BB1.2 BB1.9 BB1.10 BT1.11 BT1.12 BT1.13 BT1.20 BT1.21 C2.1 C3.1 C4.1 C5.1 C6.1 C7.1 C8.1 C9.1 C10.1 C11.2 C12.1 C13.1 C14.1 C15.1 C16.1 C17.2 C19.1 C20.1 C21.1 C22.1 C23.1 C24.1 C25.1 C26.2 C27.1 C28.1 C29.1 C30.1 C31.1 C32.1 C33.1 C34.1 C35.1 C36.1 C37.1 C38.1 C39.1 C40.1 C41.1 C49.1 C50.1 C51.1 C52.1 C53.1 C54.1 C55.1 C56.1 C57.1 C58.1 C59.1 C60.1 D1.2 D8.2 D9.2 D10.2 D11.2 D12.2 D13.2 H1.29 H1.30 H1.31 H1.32 J2.3 J2.7 J2.12 J3.3 J4.6 PX+.3 PX+.4 PX-.3 PX-.4 PY+.3 PY+.4 PY-.3 PY-.4 Q2.1 Q3.1 Q4.1 Q5.1 R5.1 R6.1 R9.1 R10.1 R11.2 R12.2 R22.1 R23.1 R24.1 R27.1 R32.1 R33.2 R40.1 R41.1 R42.1 R53.1 R54.1 R55.1 R67.1 S2.2 U1.2 U2.1 U2.2 U3.1 U3.2 U4.1 U4.2 U5.1 U5.2 U6.6 U6.29 U7.3 U8.1 U8.2 U9.1 U9.2 U10.2 U14.1 U14.4 U14.22 U14.27 U14.30 U14.33 U18.8 U19.5 U19.20 U20.2 U21.4 Y2.2 Y2.4
GPA0: R12.1 U6.17
GPA1: R11.1 U6.18
GPA2: R10.2 U6.19
GPA3: R9.2 U6.20
GPB0: U6.25
GPB1: U6.26
GPB2: U6.27
GPB3: U6.28
GPB4: U6.1
GPB5: U6.2
GPIO: U14.29
I1: U2.6
I2: U3.6
I2C_SCL: H2.43 J3.5
I2C_SDA: H2.41 J3.4
I3: U4.6
I4: U5.6
I_SUM: D6.1 D6.2 Q2.5 Q3.5 Q4.5 Q5.5 R13.2 R14.2 R15.2 R16.2 U2.5 U3.5 U4.5 U5.5
I_X+: D2.3 R13.1 U2.4
I_X-: D3.3 R14.1 U3.4
I_Y+: D4.3 R15.1 U4.4
I_Y-: D5.3 R16.1 U5.4
IL_BB: R28.1
IL_BT: R34.2
ILIM: BT1.19 R40.2
IN6: U18.14
INTA: U6.16
INTB: U6.15
IPACK: U1.6 U14.11
L1: BB1.3
L2: BB1.1 R28.2
LBK: R50.2 U19.30
LBK_R: R50.1 U10.5
LDAC_N: R27.2 U7.4
LED1: D8.1 R68.1
LED2: D9.1 R69.1
LED3: D10.1 R70.1
LED4: D11.1 R71.1
LED5: D12.1 R72.1
LED6: D13.1 R73.1
MISO: *2.20 R76.1 U6.10 U19.8
MISO_A: J2.4 J4.1 U19.1
MISO_R: R76.2 U14.26
MOSI: *2.17 R78.1 U6.9 U7.8 U19.9
MOSI_R: R78.2 U14.25
Net*2_9: *2.9 C27.2
Net*2_15: *2.15 R44.1
Net*2_16: *2.16 R43.1
Net*2_26: *2.26 C30.2 Y1.2
Net*2_27: *2.27 C31.2 Y1.1
NetC25_2: C25.2 R39.1
NetD2_1: D2.1 D2.2 PX+.1 PX+.2
NetD3_1: D3.1 D3.2 PX-.1 PX-.2
NetD4_1: D4.1 D4.2 PY+.1 PY+.2
NetD5_1: D5.1 D5.2 PY-.1 PY-.2
"NetD7_HEATER CONTROL 1_1": "D7_HEATER CONTROL 1.1" "R66_HEATER CONTROL 1.2"
"NetD7_HEATER CONTROL 2_1": "D7_HEATER CONTROL 2.1" "R66_HEATER CONTROL 2.2"
"NetQ6_HEATER CONTROL 1_3": "Q6_HEATER CONTROL 1.3" "R65_HEATER CONTROL 1.1" "U17_HEATER CONTROL 1.1"
"NetQ6_HEATER CONTROL 2_3": "Q6_HEATER CONTROL 2.3" "R65_HEATER CONTROL 2.1" "U17_HEATER CONTROL 2.1"
OBC_MOSI_A/TX: P1.2
OBC_SCK_A/RX: P1.4
ON1: +DEP?.2 R63.2 U15.4
ON2: -DEP?.2 R64.2 U16.4
OUT1: R68.2 U18.3
OUT2: R69.2 U18.5
OUT3: R70.2 U18.7
OUT4: R71.2 U18.9
OUT5: R72.2 U18.11
OUT6: R73.2 U18.13
PAY_MOSI_A/TX: J2.6
PAY_SCK_A/RX: J2.5
PB3: *2.11 U19.23
PB4: R25.1 U7.6 U19.24
PB5: *2.14 U19.26
PB6: *2.6 U19.27
PC4: *2.4 R45.1 U19.17
PD0: *2.18 R46.1 U19.29
PD5: U19.13
PD6: U19.14
PD7: *2.10 U19.15
R_OBC: R8.2 U19.22
R_PAY: R7.2 U19.18
RELEASE_A: J3.2
RELEASE_B: J3.1
RS: R52.1 R53.2 U10.8
RS_IN: R52.2
RST_EPS: J2.11 R74.1 S1.5 U18.2 U19.31
RST_OBC: J2.10 R8.1
RST_PAY: J2.9 R7.1
RST_PEX: R18.1 U6.14 U19.32
RST_PROG: J4.5 S1.4
RST_SW: S1.6 S2.1
RTC_BATT_GND: C42.1 C43.1 C44.1 C45.1 C45.2 C46.1 C47.1 R63.1 R64.1 RTC_BATT1.2 U15.5 U16.5 U16.8
RTC_VBATT: RTC_BATT1.1
RX_SW: J5.1 J5.3 S1.3
RXCAN: R48.2 U18.12 U19.7
RXD_R: R48.1 U10.4
SCK: *2.19 R58.2 R59.2 R61.2 R79.1 U6.8 U7.7 U19.28
SCK_A: J4.3 S1.1
SCLK_R: R79.2 U14.24
SS: BT1.10 C23.2
SW_BOOST: BT1.4 BT1.5 BT1.6 BT1.7 C18.1 R34.1 R35.1
THM_BB: R59.1 U6.21
THM_BST1: R58.1 U6.3
THM_BST2: R61.1 U6.4
THM_IN1: "U17_HEATER CONTROL 1.4" R54.2 THM1.2 U14.14
THM_IN2: "U17_HEATER CONTROL 2.4" R55.2 THM2.2 U14.13
TRANS_RxD: H2.33 P1.1
TRANS_TxD: H2.35 P1.3
TRIM/NR: C59.2 U21.5
TXCAN: R49.2 U18.10 U19.6
TXD_R: R49.1 U10.1
VCC_BOOST: BT1.1 BT1.2 C21.2
VDD: *1.5 C1.2 R2.2
VM: *1.2 R5.2
VPACK: BATT.2 C2.2 R4.1 R6.2 U14.12
XTAL1: C54.2 U19.10 Y2.1
XTAL2: C55.2 U19.11 Y2.3
pads on no net: *1.4 *2.1 *2.7 *2.8 *2.12 *2.13 *2.21 *2.22 *2.23 *2.24 +DEP?. -DEP?. BATT.1 H1.1 H1.2 H1.3 H1.4 H1.5 H1.6 H1.7 H1.8 H1.9 H1.10 H1.11 H1.12 H1.13 H1.14 H1.15 H1.16 H1.17 H1.18 H1.19 H1.20 H1.21 H1.22 H1.23 H1.24 H1.27 H1.28 H1.33 H1.34 H1.35 H1.36 H1.37 H1.38 H1.39 H1.40 H1.41 H1.42 H1.43 H1.44 H1.45 H1.46 H1.47 H1.48 H1.49 H1.50 H1.51 H1.52 H2.1 H2.2 H2.3 H2.4 H2.5 H2.6 H2.7 H2.8 H2.9 H2.10 H2.11 H2.12 H2.13 H2.14 H2.15 H2.16 H2.17 H2.18 H2.19 H2.20 H2.21 H2.22 H2.23 H2.24 H2.25 H2.26 H2.27 H2.28 H2.29 H2.30 H2.31 H2.32 H2.34 H2.36 H2.37 H2.38 H2.39 H2.40 H2.42 H2.44 H2.45 H2.46 H2.47 H2.48 H2.49 H2.50 H2.51 H2.52 HEAT1. HEAT2. J1.1 J1.2 J1.3 J1.4 J1.5 J1.6 J1.7 J1.8 J1.9 J1.10 J1.11 J1.12 J1.13 J1.14 J1.15 J1.16 J1.17 J1.18 J1.19 J1.20 J1.21 J1.22 J1.23 J1.24 J1.25 J2. J3. PX+. PX-. PY+. PY-. RBF1.1 RBF1.2 RBF1.3 RBF1.4 RBF1.None THM1. THM2. U21.1 U21.3 U21.7 U21.8
copper on no net:
  other v1: 38.036,6.477 62.547,6.477

## Silkscreen, mask and mechanical layers (free items; w line width, h text height)
Mechanical 1:
  lines w0.254: 0,75 15,75 15,90 ; 0.12,14.971 15.12,14.971 15.12,-0.029 ; 80.77,0.01 80.77,15.01 95.77,15.01 ; 80.77,90 80.77,75 95.7,75

## Text inside footprints (layer, text, board x,y; h text height)
P1: Top Overlay "1" at 118.618,184.404 h1.27 r90; Top Overlay "2" at 116.078,183.896 h1.27 r90; Top Overlay "4" at 116.078,190.5 h1.27 r90; Top Overlay "3" at 118.618,190.5 h1.27 r90